# Altium PCB AMS-LV.PcbDoc (part 1 of 2)
Units mm, origin at the board's own origin, x right, y up, seen from the top; angles counter-clockwise.
Board outline 63.9 x 148.3 mm, 4 copper layers (Top Layer, Power VCC, Power GND, Bottom Layer), stack 0.603 mm thick; 121 components, 81 nets, 444 pads, 109 vias.
Unrouted connection lines stored in the file: 19.
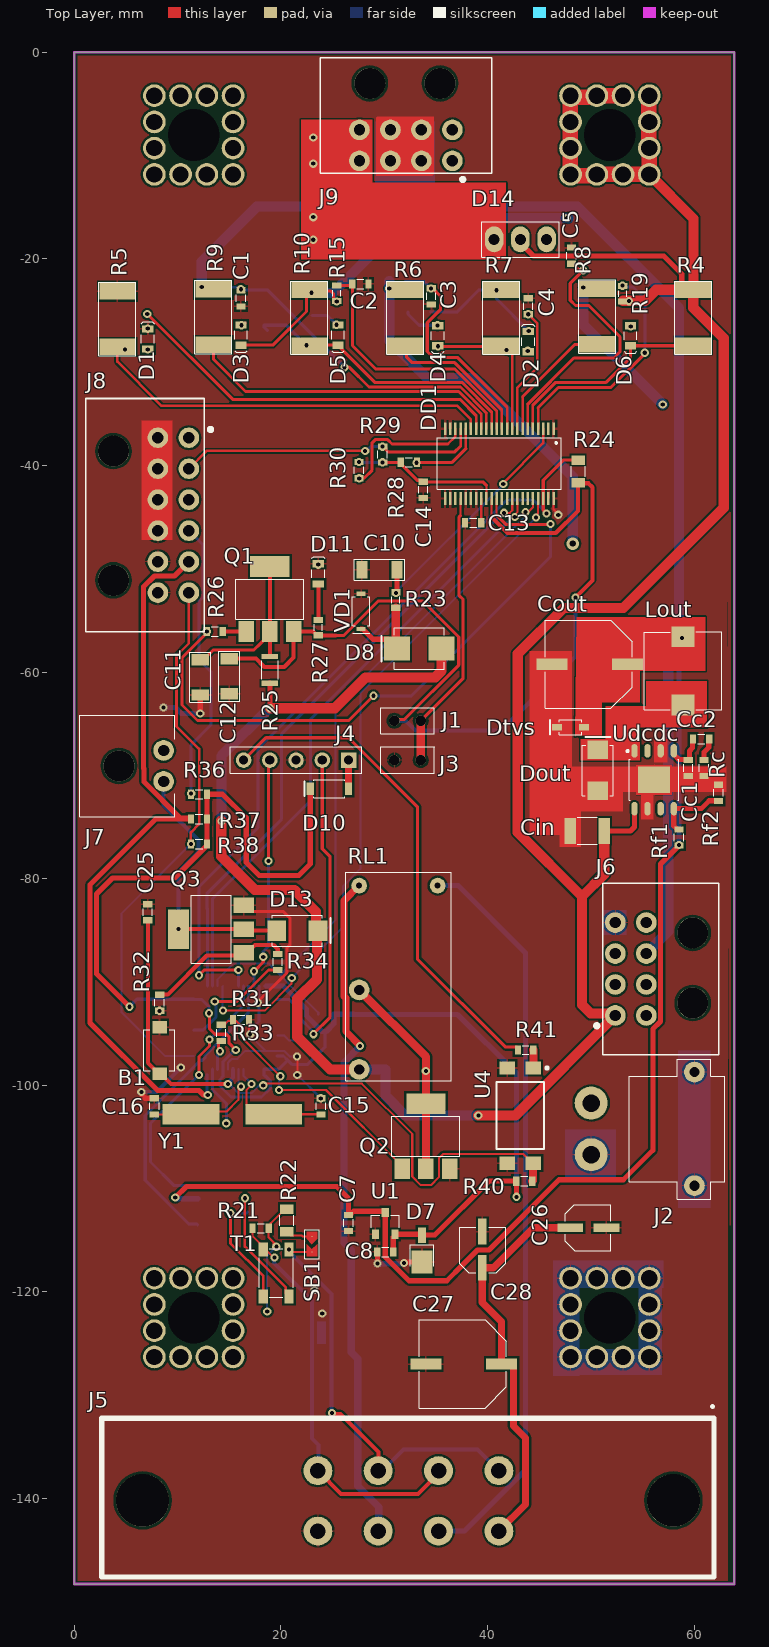
[diagram p0: Top Layer view]
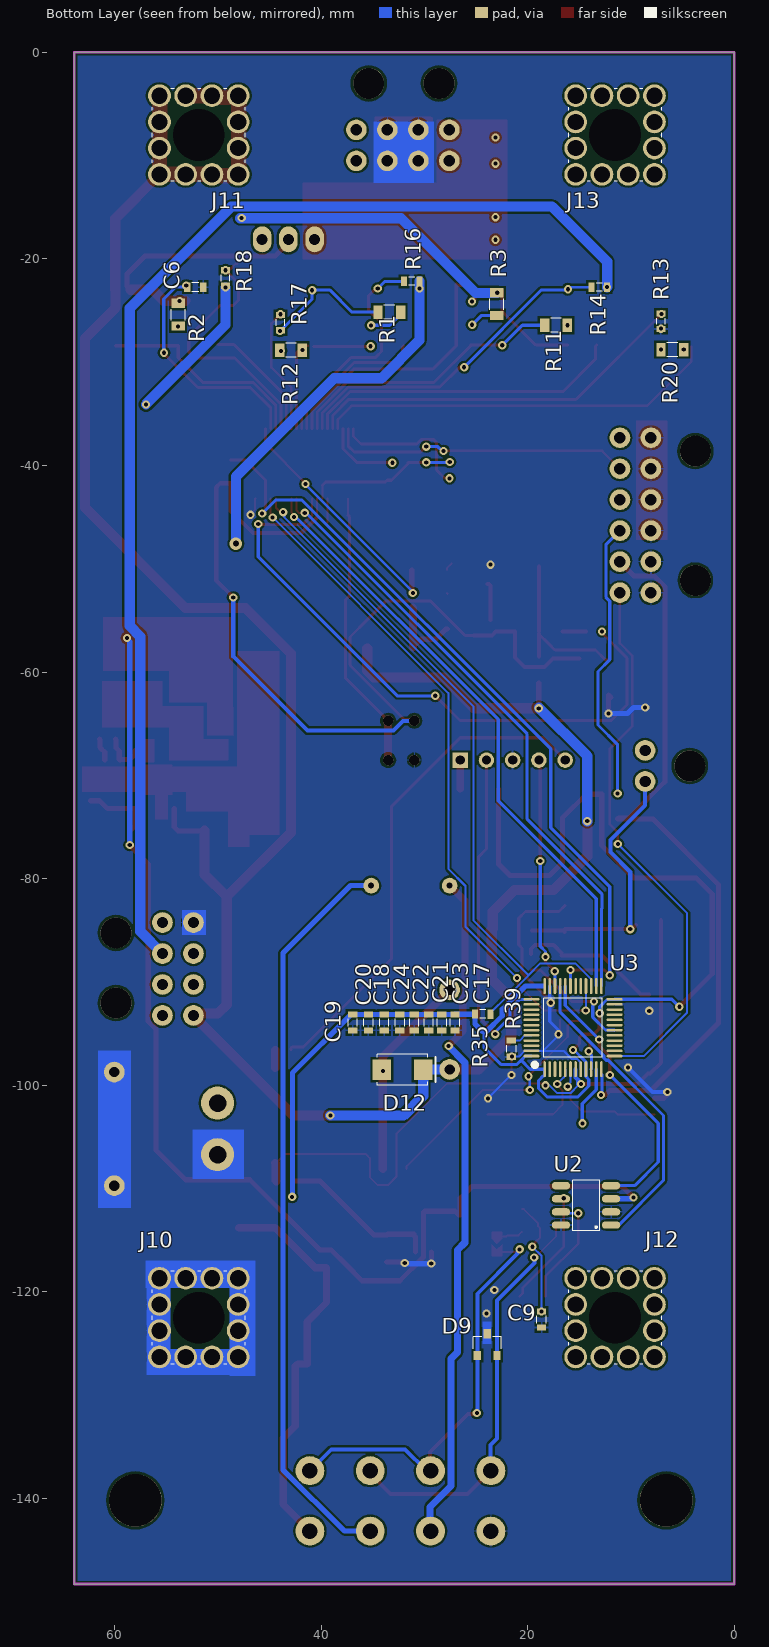
[diagram p1: Bottom Layer view, seen from below]
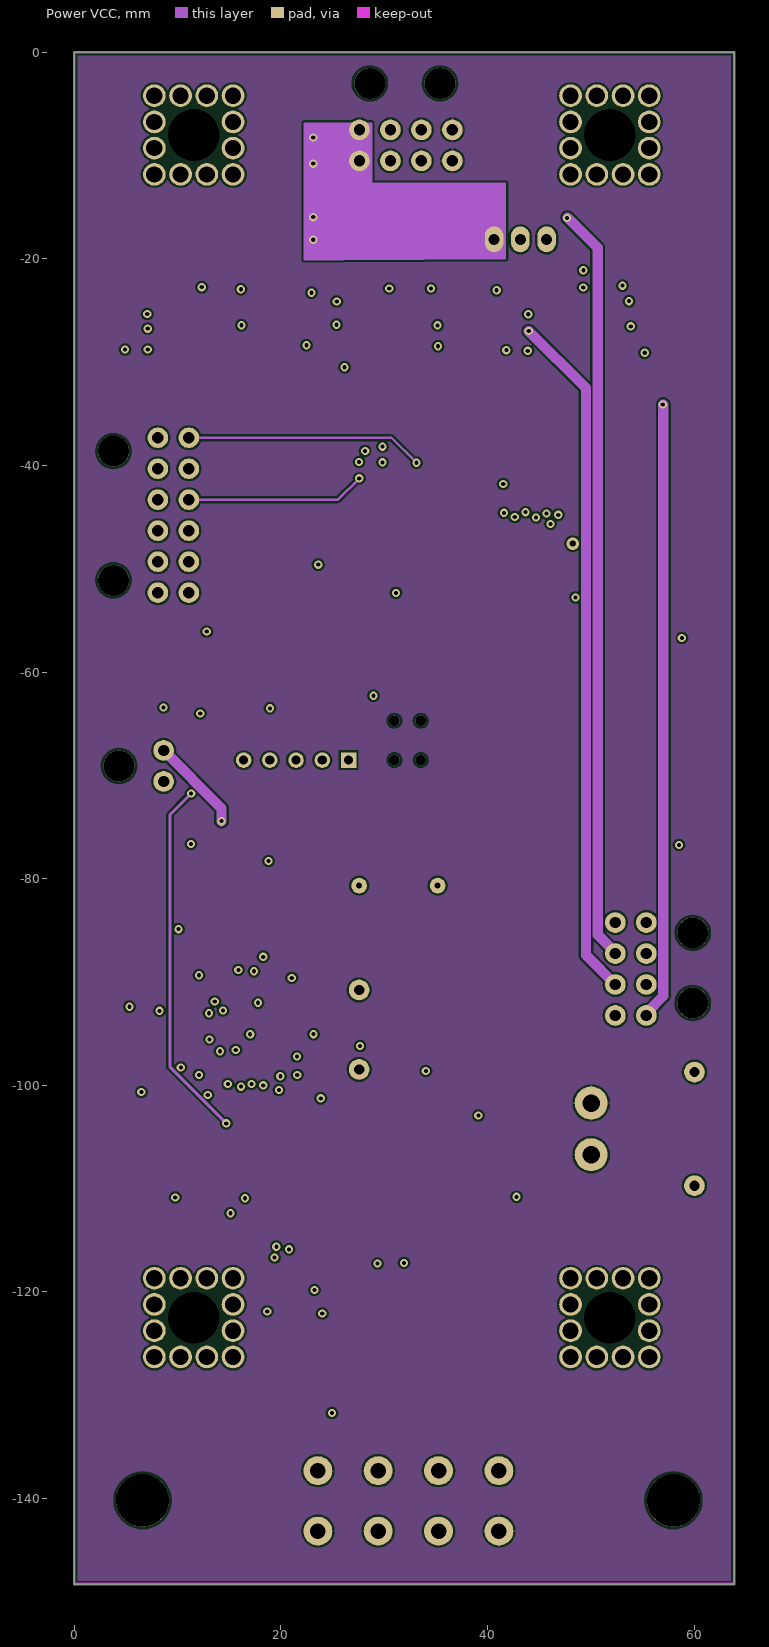
[diagram p2: Power VCC]
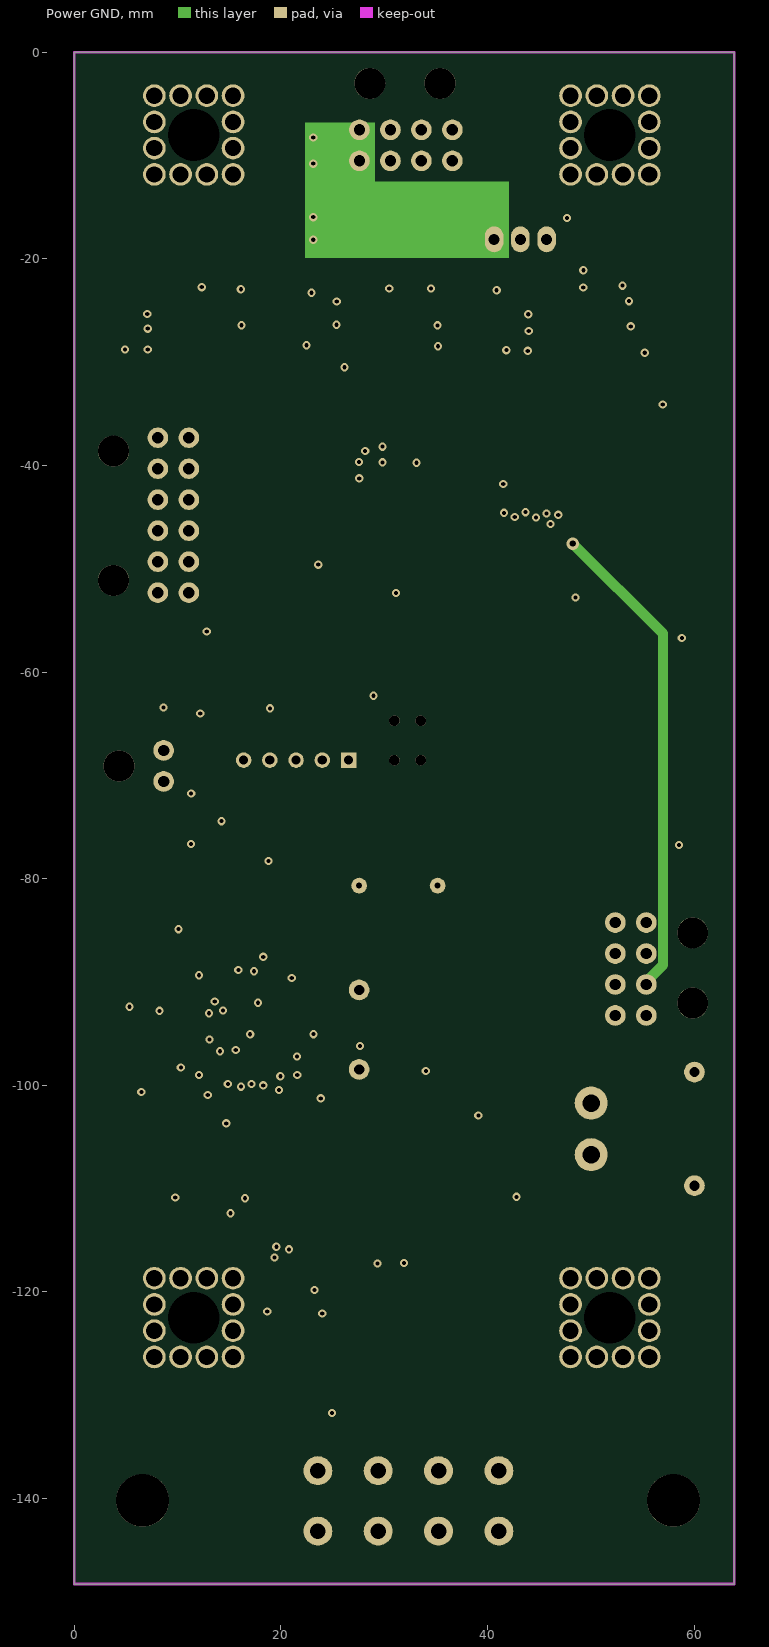
[diagram p3: Power GND]
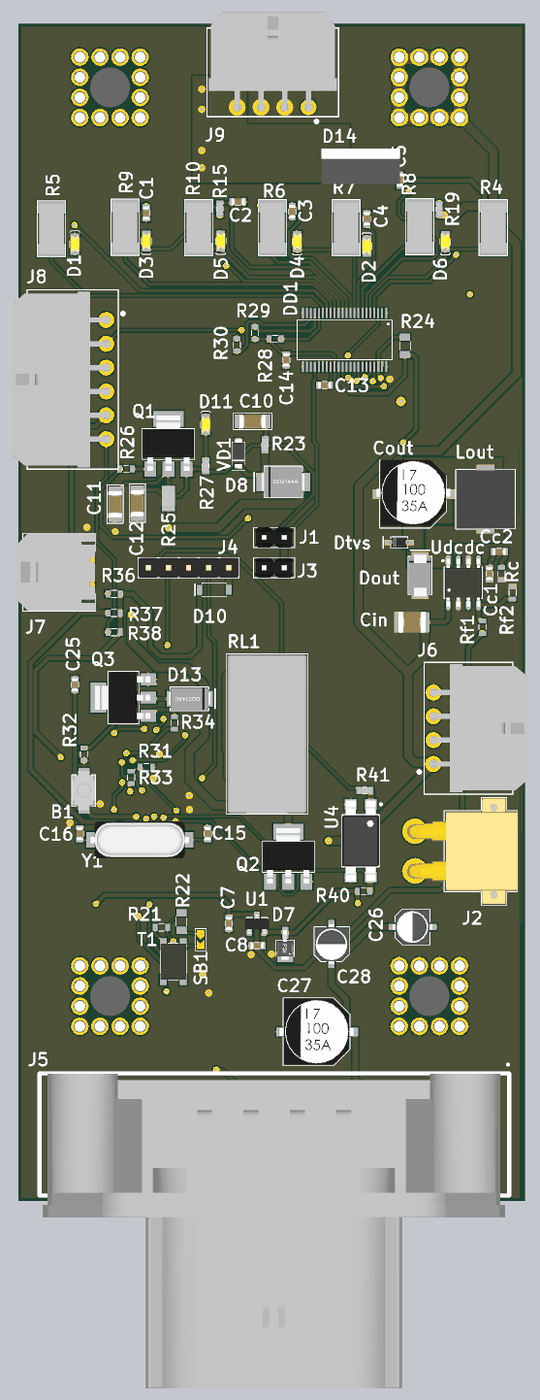
[diagram p5: 3D render of the assembled board from above, using the file's embedded part models]
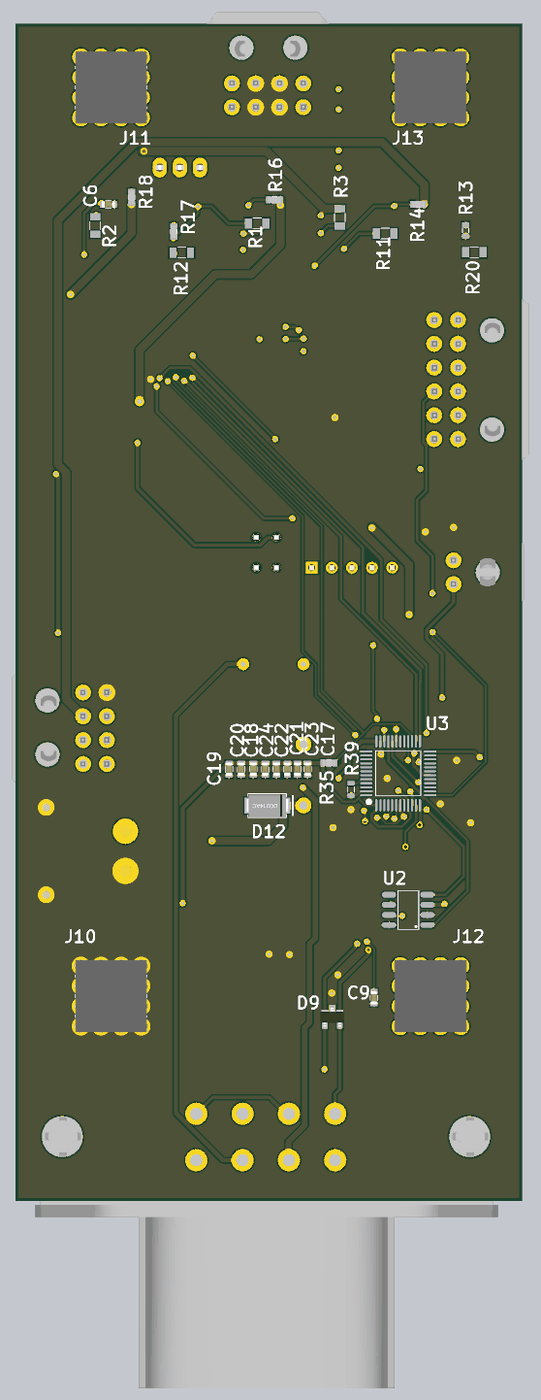
[diagram p6: 3D render of the assembled board from below, using the file's embedded part models]

## Layer stack, top to bottom
Top Solder: solder mask 0.0102, Solder Resist, Dk 3.5
Top Layer: signal copper 0.0356
Dielectric 2: prepreg 0.0711, PP-006, Dk 4.1
Power VCC: signal copper 0.035
Dielectric 1: dielectric 0.32, FR-4, Dk 4.8
Power GND: signal copper 0.035
Dielectric 3: prepreg 0.0711, PP-006, Dk 4.1
Bottom Layer: signal copper 0.0356
Bottom Solder: solder mask 0.0102, Solder Resist, Dk 3.5

## Board outline
0,-148.3 0,0 63.9,0 63.9,-148.3

## Design rules (kind name [scope] priority, off if disabled: settings)
AcuteAngle [All] p1: minimum=3.50000000000000E+0001 checktracksonly=FALSE
BoardOutlineClearance "BoardOutlineClearance 1" [All] p1: gap=0.25 ignorepadtopadclearanceinfootprint=FALSE except(0: Arc-SplitContinuation Track-SplitContinuation SMDPad-SplitContinuation THPad-SplitContinuation Via-SplitContinuation Fill-SplitContinuation Poly-SplitContinuation Region-SplitContinuation Text-SplitContinuation) // Milling
Clearance "Clearance-1 1/2 Oz" [All] p1: gap=0.125 ignorepadtopadclearanceinfootprint=FALSE except(0.2: Arc-Fill Arc-Poly Track-Fill Track-Poly SMDPad-SMDPad SMDPad-Fill SMDPad-Poly THPad-Fill THPad-Poly Via-Fill Via-Poly Fill-Fill Fill-Poly Poly-Poly Poly-Region Poly-Text; 0.25: Arc-Hole Track-Hole SMDPad-Hole THPad-Hole Via-Hole Fill-Hole Poly-Hole Region-Hole Text-Hole) // Standart
ComponentClearance [All] p1: gap=0.1 collisioncheckmode=3 verticalgap=0.1 showdistances=FALSE
DiffPairsRouting "DiffPairsRouting 1/2 Oz" [All] p1: maxlimit=0.254 minlimit=0.125 mostfreqgap=0.254 toplayer_minwidth=0.125 toplayer_maxwidth=0.381 toplayer_prefwidth=0.381 midlayer1_minwidth=0.125 midlayer1_maxwidth=0.381 midlayer1_prefwidth=0.381 midlayer2_minwidth=0.125 midlayer2_maxwidth=0.381 midlayer2_prefwidth=0.381 bottomlayer_minwidth=0.125 bottomlayer_maxwidth=0.381 bottomlayer_prefwidth=0.381 maxuncoupledlength=12.7
Height [All] p1: minheight=0 maxheight=50 prefheight=12.7
HoleSize "Minimum HoleSize" [IsPad] p1: absolutevalues=TRUE maxlimit=5.9 minlimit=0.6 maxpercent=80.000 minpercent=20.000
HoleSize "Minimum HoleSize VIA 1" [IsVia] p2: absolutevalues=TRUE maxlimit=5.9 minlimit=0.3 maxpercent=80.000 minpercent=20.000 // Standart
HoleToHoleClearance Hole2HoleClearance [All] p1: gap=0.25 allowstackedmicrovias=FALSE
MinimumAnnularRing "Minimum AR VIA Standart" [All] p1: minimumring=0.15
MinimumAnnularRing "Minimum AR PAD Standart" [All] p2: minimumring=0.2
MinimumSolderMaskSliver "SolderMask Bridge Standart" [All] p1: minsoldermaskwidth=0.15 // All Masks
PlaneClearance "PlaneClearance-1 1/2 Oz" [All] p1: clearance=0.2 // Standart
PlaneConnect "TermalConnect-1 1/2 Oz" [All] p1: planeconnectstyle=Relief reliefexpansion=0.2 reliefentries=4 reliefconductorwidth=0.2 reliefairgap=0.2 // Standart
PolygonConnect "PolygonConnect-1 1/2 Oz" [All] p1: thpad.connectstyle=Relief thpad.reliefconductorwidth=0.15 thpad.reliefentries=4 thpad.polygonreliefangle="90 Angle" thpad.airgapwidth=0.2 smdpad.connectstyle=Relief smdpad.reliefconductorwidth=0.2 smdpad.reliefentries=4 smdpad.polygonreliefangle="90 Angle" smdpad.airgapwidth=0.2 via.connectstyle=Direct via.reliefconductorwidth=0.254 via.reliefentries=4 via.polygonreliefangle="90 Angle" via.airgapwidth=0.254 // Standart
RoutingCorners [All] p1 off: cornerstyle=45-Degree minsetback=2.54 maxsetback=2.54
RoutingVias [All] p1: holewidth=0.4 width=0.8 viastyle="Through Hole" minholewidth=0.3 minwidth=0.6 maxholewidth=5.9 maxwidth=8.9
SilkToSilkClearance Silk2SilkClearance [All] p1 off: silktosilkclearance=0.15
SilkToSolderMaskClearance Silk2SolderMaskClearance [IsPad] p1 off: minsilkscreentomaskgap=0.15 clearancetoexposedcopper=TRUE
SolderMaskExpansion SolderMaskExpansion-1 [All] p1: expansion=0.05 istentingtop=FALSE // Standart
UnRoutedNet [All] p1: checkbadconnections=TRUE
Width "Width 1/2 Oz" [All] p1: maxlimit=10 minlimit=0.125 preferedwidth=0.254 checkconnectedcopper=TRUE
18 further rules are at their usual default settings.

## Classes and differential pairs
component class DC-DC_4-36V_2A: Cc1 Cc2 Cin Cout Dout Dtvs Lout Rc Rf1 Rf2 Udcdc
component class AMS_LV_6: B1 C1 C2 C3 C4 C5 C6 C7 C8 C9 C10 C11 C12 C13 C14 C15 C16 C17 C18 C19 C20 C21 C22 C23 C24 C25 C26 C27 C28 D1 D2 D3 D4 D5 D6 D7 D8 D9 D10 D11 D12 D13 D14 DD1 J1 J2 J3 J4 J5 J6 J7 J8 J9 J10 J11 J12 J13 Q1 Q2 Q3 R1 R2 R3 R4 R5 R6 R7 R8 R9 R10 R11 R12 R13 R14 R15 R16 R17 R18 R19 R20 R21 R22 R23 R24 R25 R26 R27 R28 R29 R30 R31 R32 R33 R34 R35 R36 R37 R38 R39 R40 R41 RL1 SB1 T1 U1 U2 U3 U4 VD1 Y1
differential pair CAN: +CAN_P -CAN_N

## Components (designator, comment, footprint, x,y, rotation, side; value= is the part's Value field where it differs from the comment)
B1 "But" "BUTTON 4x3" 8.254,-98.873 r180 top
C1 "10nF" "0603 Capicator" 16.128,-23.816 r270 top
C2 "10nF" "0603 Capicator" 27.685,-22.419 r0 top
C3 "10nF" "0603 Capicator" 34.544,-23.622 r270 top
C4 "10nF" "0603 Capicator" 43.941,-24.578 r90 top
C5 "10nF" "0603 Capicator" 48.133,-19.685 r90 top
C6 "10nF" "0603 Capicator" 52.197,-22.733 r180 bottom
C7 "1uF" "0603 Capicator" 26.542,-113.351 r90 top
C8 "1uF" "0603 Capicator" 30.098,-116.145 r0 top
C9 "4.7uF" "0603 Capicator" 18.669,-122.682 r270 bottom
C10 "0.1µF" "Cap 0.1µF (1206)" 29.541,-50.105 r0 top
C11 "0.1µF" "Cap 0.1µF (1206)" 12.191,-60.519 r90 top
C12 "1uF" "Cap 0.1µF (1206)" 14.985,-60.392 r90 top
C13 "1uF" "0603 Capicator" 38.607,-45.533 r0 top
C14 "1uF" "0603 Capicator" 33.781,-42.358 r90 top
C15 "10pF" "0603 Capicator" 23.875,-102.048 r90 top
C16 "10pF" "0603 Capicator" 7.746,-102.048 r90 top
C17 "0.1uF" "0603 Capicator" 27.05,-93.92 r90 bottom
C18 "0.1uF" "0603 Capicator" 33.908,-93.92 r90 bottom
C19 "0.1uF" "0603 Capicator" 36.956,-93.92 r90 bottom
C20 "0.1uF" "0603 Capicator" 35.432,-93.92 r90 bottom
C21 "0.1uF" "0603 Capicator" 29.59,-93.92 r90 bottom
C22 "0.1uF" "0603 Capicator" 30.987,-93.92 r90 bottom
C23 "0.1uF" "0603 Capicator" 28.32,-93.92 r90 bottom
C24 "0.1uF" "0603 Capicator" 32.384,-93.92 r90 bottom
C25 "0.1uF" "0603 Capicator" 7.111,-83.252 r270 top
C26 "4.7uF" "Bar Cap 4x5.4" 51.506,-113.792 r270 top
C27 "330uF" "Bar Cap 8x10.5"#1 34.036,-127 r90 top
C28 "4.7uF" "Bar Cap 4x5.4" 39.497,-114.173 r0 top
Cc1 "220pF" "0603 Capicator" 59.435,-69.282 r90 top
Cc2 "22nF" "0603 Capicator" 60.687,-66.488 r180 top
Cin "10uF" "1210 CAPACITOR" 49.656,-75.378 r180 top
Cout "330uF" "Bar Cap 8x10.5"#2 46.227,-59.249 r270 top
D1 "LedR" "0805 LED" 7.111,-27.753 r90 top
D2 "LedR" "0805 LED" 43.941,-28.007 r90 top
D3 "LedR" "0805 LED" 16.128,-27.372 r270 top
D4 "LedR" "0805 LED" 35.179,-27.432 r270 top
D5 "LedR" "0805 LED" 25.526,-27.372 r270 top
D6 "LedR" "0805 LED" 53.848,-27.432 r270 top
D7 "TVS 3.3V" DO-216AA 33.654,-116.018 r90 top
D8 "Diode" SMB 33.4,-57.725 r180 top
D9 "TVS" SOT-23 24.886,-126.178 r180 bottom
D10 "Diode" sod-123 26.542,-71.314 r180 top
D11 "LedG" "0805 LED" 23.621,-50.486 r90 top
D12 "Diode" SMA 32.13,-98.492 r180 bottom
D13 "Diode" SMA 21.589,-85.03 r0 top
D14 "Diode" TO-220-3 43.114,-18.126 r0 top
DD1 "LTC6810" LTC6810-1 40.893,-39.818 r270 top
Dout "Diode" SMA 50.672,-69.504 r90 top
Dtvs "TVS 5V" sod-323 49.335,-65.345 r180 top
J1 "PLS-2" "Conn PLS-2" 32.257,-64.71 r90 top
J2 "XT30" "HEADER 2 XT30PW Male" 50.038,-101.727 r270 top
J3 "PLS-2" "Conn PLS-2" 32.257,-68.52 r90 top
J4 "Conn 5 (PLS)" "PLS 5x1" 26.542,-68.52 r180 top
J5 "MX150L" "Conn 4x2 [MX150L]" 31.7,-152.45 r0 top
J6 "Microfit" Microfit_4x2 52.372,-93.249 r90 top
J7 "Conn2x1" "MolexMicroFit 2x1" 8.638,-67.588 r270 top
J8 "Microfit" Microfit_6x2 11.08,-37.312 r270 top
J9 "Microfit" Microfit_4x2 36.6,-10.5 r180 top
J10 "Conn12" 7460408 51.85,-122.5 r180 bottom
J11 "Conn12" 7460408 51.85,-8 r180 bottom
J12 "Conn12" 7460408 11.55,-122.5 r180 bottom
J13 "Conn12" 7460408 11.55,-8 r180 bottom
Lout "15uH" "Inductor 7x7" 58.927,-59.884 r90 top
Q1 "NPN" SOT-223 18.922,-56.074 r0 top
Q2 "NPN" SOT-223 34.035,-108.094 r0 top
Q3 "NPN" SOT-223 16.382,-84.889 r90 top
R1 "75R" "0805 Resistor" 33.401,-25.146 r0 bottom
R2 "75R" "0805 Resistor" 53.848,-25.4 r90 bottom
R3 "75R" "0805 Resistor" 22.987,-24.384 r90 bottom
R4 "39R" "RES 39R (2512)" 59.816,-25.721 r0 top
R5 "39R" "RES 39R (2512)" 4.063,-25.848 r0 top
R6 "39R" "RES 39R (2512)" 31.939,-25.721 r0 top
R7 "39R" "RES 39R (2512)" 41.232,-25.721 r0 top
R8 "39R" "RES 39R (2512)" 50.524,-25.594 r0 top
R9 "39R" "RES 39R (2512)" 13.355,-25.652 r0 top
R10 "39R" "RES 39R (2512)" 22.647,-25.721 r0 top
R11 "75R" "0805 Resistor" 17.272,-26.416 r180 bottom
R12 "75R" "0805 Resistor" 42.926,-28.829 r0 bottom
R13 "100R" "RES 100R (603)"#1 7.112,-26.035 r180 bottom
R14 "100R" "RES 100R (603)"#2 13.081,-22.733 r270 bottom
R15 "100R" "RES 100R (603)"#2 25.399,-23.308 r180 top
R16 "100R" "RES 100R (603)"#2 31.241,-22.165 r270 bottom
R17 "100R" "RES 100R (603)"#2 43.942,-26.162 r0 bottom
R18 "100R" "RES 100R (603)"#2 49.276,-21.844 r0 bottom
R19 "100R" "RES 100R (603)"#2 53.086,-23.368 r180 top
R20 "75R" "0805 Resistor" 6.003,-28.773 r0 bottom
R21 "62R" "0603 Resistor" 18.033,-113.859 r180 top
R22 "75R" "0805 Resistor" 20.573,-113.097 r90 top
R23 "10R" "RES 10R (603)" 31.114,-53.026 r0 top
R24 "1M" "0805 Resistor" 48.767,-40.58 r270 top
R25 "100R" "Res 100R (1206)" 19.722,-58.187 r180 top
R26 "0R" "0603 Resistor" 13.588,-56.074 r0 top
R27 "300R" "Res 300R (603)" 23.621,-55.693 r0 top
R28 "10k" "0603 Resistor" 32.384,-39.691 r180 top
R29 "10k" "0603 Resistor" 29.844,-38.929 r270 top
R30 "10k" "0603 Resistor" 27.558,-40.453 r90 top
R31 "10k" "0603 Resistor" 16.128,-93.666 r0 top
R32 "10k" "0603 Resistor" 8.254,-92.015 r270 top
R33 "1k" "0603 Resistor" 14.223,-94.936 r90 top
R34 "1k" "0603 Resistor" 19.684,-88.078 r270 top
R35 "5.1k" "RES 5.1k (603)" 24.383,-93.158 r270 bottom
R36 "10k" "0603 Resistor" 12.064,-71.822 r0 top
R37 "10k" "0603 Resistor" 12.064,-74.235 r0 top
R38 "10k" "0603 Resistor" 12.064,-76.648 r0 top
R39 "3.9k" "0603 Resistor" 21.589,-96.46 r270 bottom
R40 "10k" "0603 Resistor" 43.56,-109.287 r180 top
R41 "300R" "Res 300R (603)" 43.687,-96.587 r270 top
Rc "4.7k" "0603 Resistor" 60.959,-69.282 r90 top
Rf1 "11k" "0603 Resistor" 58.546,-76.013 r270 top
Rf2 "3.3k" "0603 Resistor" 62.356,-71.695 r270 top
RL1 "Relay" Relay(RE030024) 31.368,-89.475 r90 top
SB1 "Circuit Breaker" "SB 0603" 22.986,-115.51 r90 top
T1 "ACT45B" ACT45B 20.787,-121.116 r90 top
U1 "LDO 3.3V" SOT-23 29.148,-114.435 r0 top
U2 "CAN_Rx/Tx" SO-8 11.938,-113.538 r0 bottom
U3 "STM32F103C8T6" LQFP48 15.62,-94.428 r90 bottom
U4 "Opt" "Optocupler [LTV-817S]" 43.179,-102.937 r270 top
Udcdc "DC/DC" HSOP-8 56.133,-70.425 r270 top
VD1 "TVS 26V" "TVS Diode 26V [SMF26A]" 27.685,-54.296 r270 top
Y1 "8MHz" hc-49sm 11.302,-102.81 r0 top
